# Allegro board pc053a_toplevel_33_ans_16-5_routed.brd (continued)
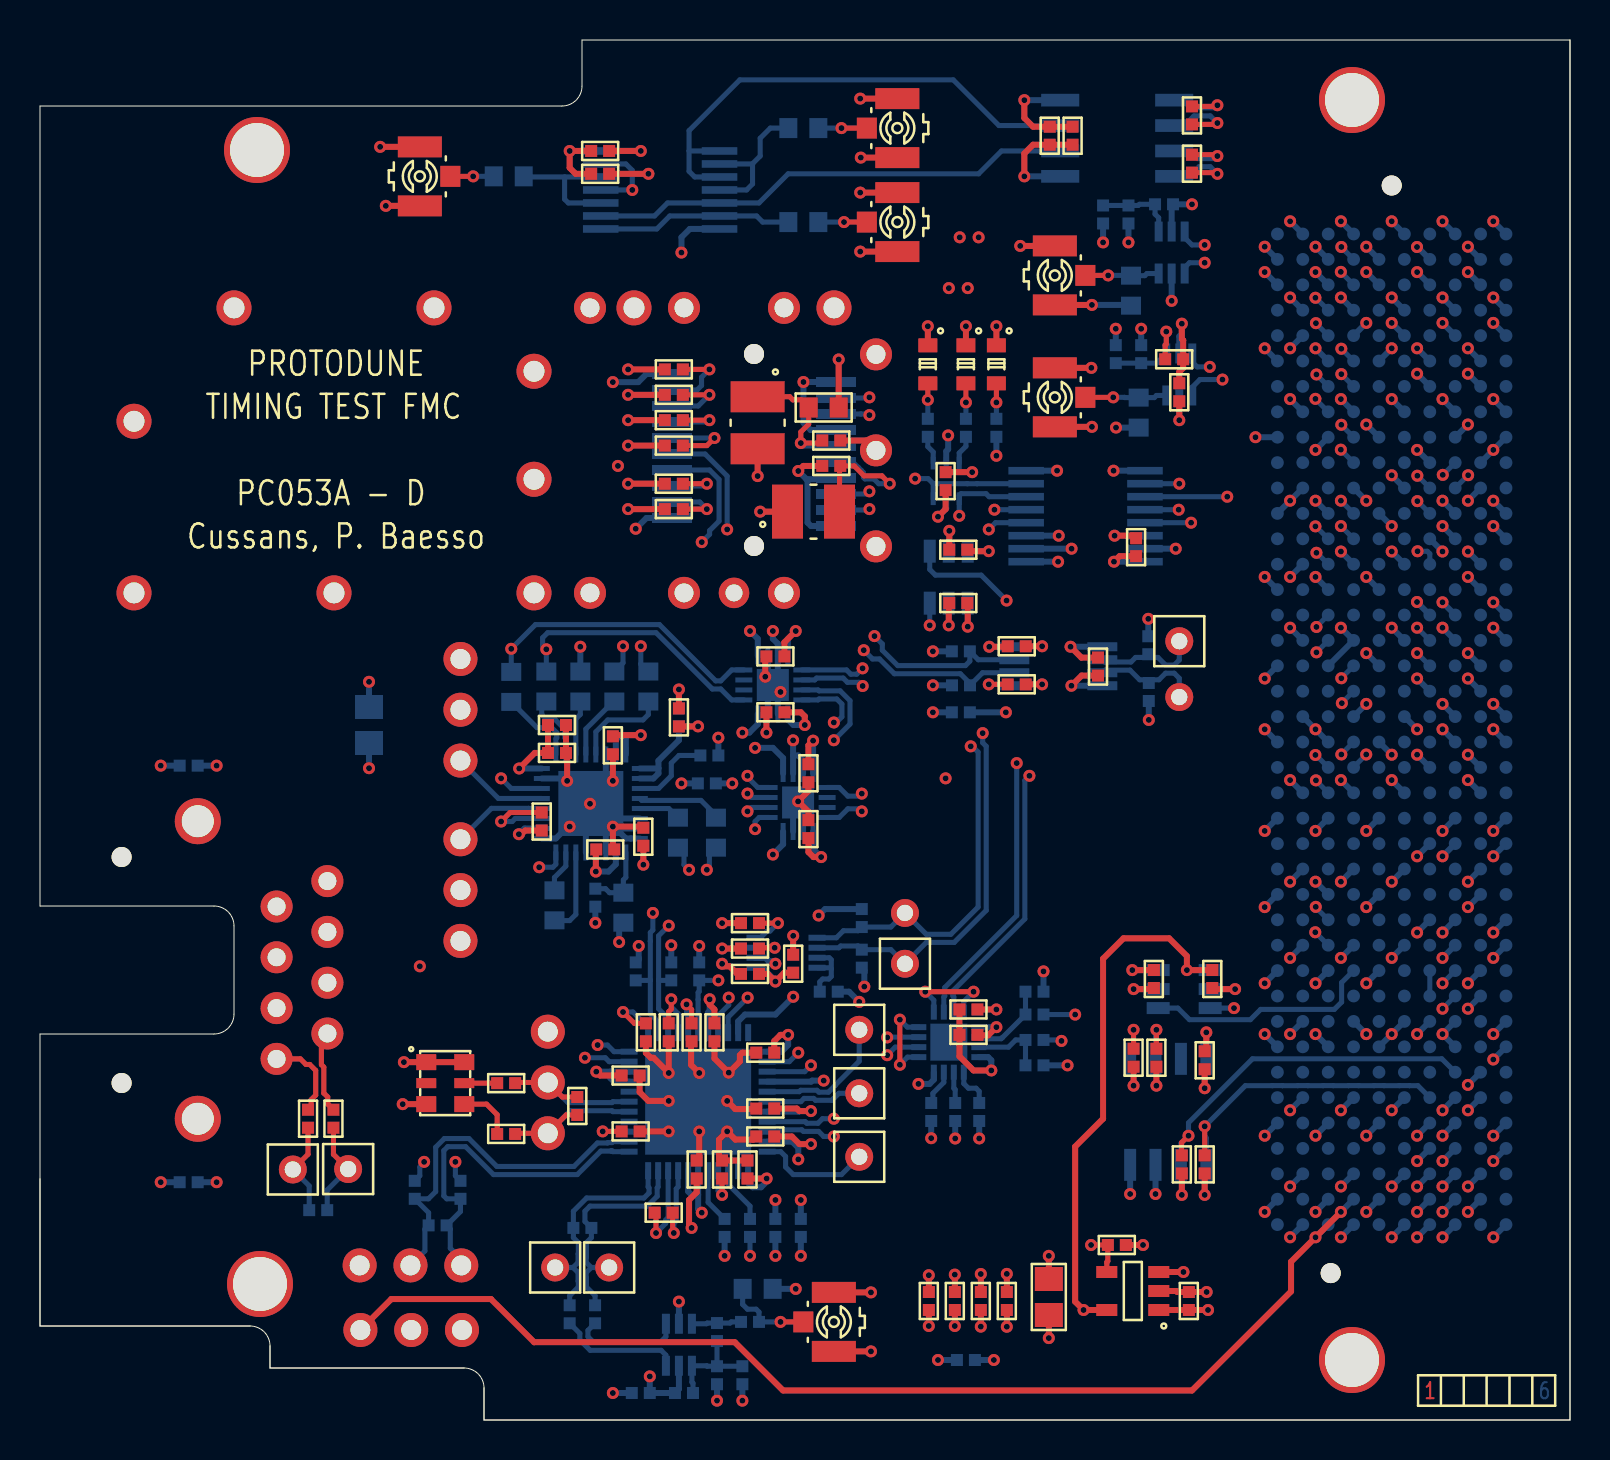
[diagram p0: board, top side]
## Routing (per net, layer and track width the routed paths; a pad name or vN(x,y) marks a point on that pad's centre or on a via; arc(x,y) is an arc through that point) (continued)
  BOTTOM w0.254: IC7.1 57.61,51.64 57.99,52.02 v1(59.12,52.02) ; P1.D11 68.89,47.2 v1(68.87,47.21)
IN_N: length 4.3
  BOTTOM w0.254: C44.2 33.8,30.23 33.05,30.98 30.09,30.98 IC12.4
IN_P: length 2.1
  BOTTOM w0.254: C43.2 31.44,30.57 29.99,30.57 IC12.5
IN_SEL0: length 2.3
  TOP w0.254: R17.2 v1(28.13,14.43)
  BOTTOM w0.254: IC4.3 29.44,14.43 v1(28.13,14.43)
IN_SEL1: length 2.1
  TOP w0.254: R19.2 v1(34.1,11.26)
  BOTTOM w0.254: 33.91,12.47 33.91,11.45 v1(34.1,11.26)
OSC_CLK_N: length 7.9
  TOP w0.254: R7.2 26.12,16.15 J2.2 23.79,16.88 C25.2
  BOTTOM w0.254: J2.2 26.4,15.87 28.6,15.87 28.64,15.92 IC4.6
OSC_CLK_P: length 8
  TOP w0.254: R7.1 26.3,15.25 J2.3 23.79,14.34 C21.2
  BOTTOM w0.254: IC4.5 28.64,15.42 28.6,15.46 26.52,15.46 J2.3
REC_CLK_N: length 43.3
  INNER4 w0.127: v1(19.2,12.91) 19.61,12.91 19.74,13.03 19.74,13.16 19.73,13.17 19.73,18.86 27.38,26.52 36.02,26.52 38.65,29.15 38.65,32.45 39.58,33.38 40.57,33.38 40.7,33.5 40.7,34.17 40.57,34.29 40.44,34.29 40.14,33.99 v1(39.69,33.99)
  BOTTOM w0.254: v1(19.2,12.91) 19.2,12.87 18.99,12.65 18.99,12.21 C27.1 ; IC17.11 38.9,36.5 38.95,36.46 40.01,36.46 40.5,35.96 40.5,34.8 v1(39.69,33.99)
REC_CLK_P: length 42.1
  INNER4 w0.127: v1(20.77,12.91) 20.39,12.91 20.01,13.29 20.01,18.75 27.5,26.24 36.14,26.24 38.93,29.04 38.93,32.34 39.69,33.1 40.69,33.1 40.98,33.39 40.98,34.28 40.69,34.57 40.44,34.57 40.14,34.88 v1(39.69,34.88)
  BOTTOM w0.254: v1(39.69,34.88) 39.82,34.88 40.09,35.16 40.09,35.8 39.84,36.05 38.95,36.05 38.9,36 IC17.12 ; C24.1 20.77,12.21 v1(20.77,12.91)
S_CLK_IN: length 4.5
  TOP w0.254: PX1.1 v1(37.02,4.91)
  BOTTOM w0.254: R27.2 35.13,5.78 35.37,5.54 35.81,5.54 35.95,5.4 C50.1 v1(37.02,4.91)
S_GPIO_IN0: length 3.7
  TOP w0.254: PX2.1 v1(53.41,57.23)
  BOTTOM w0.254: IC6.3 55.35,57.32 55.24,57.22 R30.2 54.54,57.23 v1(53.41,57.23)
S_GPIO_IN1: length 4.1
  TOP w0.254: PX3.1 v1(53.66,51.13)
  BOTTOM w0.254: IC7.3 55.82,51.23 55.72,51.12 R31.2 54.24,51.12 54.23,51.13 v1(53.66,51.13)
SFP_LOS: length 21.6
  TOP w0.254: 32.14,51.26 v1(33.47,51.26)
  INNER3 w0.127: v1(33.47,51.26) 35.63,51.26 37.28,49.61 43.14,49.61 47.23,45.52 v1(47.72,45.52)
  BOTTOM w0.254: IC10.5 v1(47.72,45.52) ; J4.8 32.91,50.7 v1(33.47,51.26)
SFP_SCL: length 52
  INNER3 w0.127: v1(41.72,39.2) 38.29,42.62 35.23,42.62 34.01,43.84 34.01,44.18 v1(34.36,44.53)
  INNER4 w0.127: v1(34.36,44.53) 34.01,44.18 34.01,43.93 33.34,43.26 32.07,43.26 28.13,39.32 28.13,35.03 24.05,30.94 22.93,30.94 J5.1
  BOTTOM w0.254: J4.5 33.25,48.3 34.36,47.2 v1(34.36,44.53) ; IC12.20 24.44,30.58 24.43,30.58 22.57,30.58 J5.1 ; 48.71,38.01 46.91,38.01 R411.2 46.49,37.94 46.27,37.72 42.89,37.72 42.12,38.49 42.12,38.8 v1(41.72,39.2)
SFP_SDA: length 50.9
  INNER3 w0.127: v1(33.09,43.89) 33.6,43.89 35.12,42.37 38.19,42.37 41.23,39.33 41.23,39.03 41.19,38.98 v1(41.19,38.49)
  INNER4 w0.127: J6.1 22.8,31.19 23.94,31.19 27.88,35.13 27.88,39.43 31.97,43.51 32.71,43.51 v1(33.09,43.89)
  BOTTOM w0.254: v1(33.09,43.89) 33.48,44.29 33.48,44.47 33.95,44.94 33.95,47.03 33.48,47.5 J4.4 ; IC12.21 22.92,31.08 J6.1 ; v1(41.19,38.49) 41.63,38.05 41.98,38.05 42.72,37.31 46.02,37.31 46.5,36.83 R140.2 47.13,37.36 IC15.6
SFP_TX_DISABLE: length 20.7
  TOP w0.254: v1(33.34,46.81) 32.14,46.81
  INNER3 w0.127: v1(33.34,46.81) 32.45,45.93 32.45,45.16 32.71,44.91 33.6,44.91 33.98,45.29 34.87,45.29 35.49,44.67 37.9,44.67 42.84,39.73 v1(44.49,39.73)
  BOTTOM w0.254: v1(33.34,46.81) 33.23,46.7 J4.3 ; IC14.3 v1(44.49,39.73)
SFP_TX_FAULT: length 20.9
  TOP w0.254: 32.14,45.55 v1(33.34,45.55)
  INNER3 w0.127: v1(47.44,44.53) 46.04,45.93 43.63,45.93 42.74,45.04 39.31,45.04 38.17,46.18 33.98,46.18 v1(33.34,45.55)
  BOTTOM w0.254: v1(33.34,45.55) 32.99,45.9 J4.2 ; IC10.4 47.77,44.87 v1(47.44,44.53)
SY5860_IN_N: length 14.7
  BOTTOM w0.254: R55.2 v1(23.56,38.56) 24.77,39.77 30.97,39.77 33.79,36.96 34.04,36.96 34.59,37.5 IC17.4
SY5860_IN_P: length 13.3
  BOTTOM w0.254: IC17.1 34.59,36 34.04,36.55 33.62,36.55 30.8,39.37 25.38,39.37 25.13,39.11 25.13,38.72 v1(25.32,38.53) R54.2
T_CDR_N: length 7
  INNER3 w0.127: v1(33.34,27.51) 33.34,27.96 33.04,28.26 33.04,28.86 33.77,29.59 35.1,29.59 35.19,29.67 35.3,29.72 v1(35.75,29.54)
  BOTTOM w0.254: IC13.9 35.96,30.13 35.75,29.92 v1(35.75,29.54) ; v1(33.34,27.51) 33.47,27.64 33.47,28.29 C44.1
T_CDR_P: length 7.4
  INNER3 w0.127: v1(35.37,30.43) 35.19,29.98 35.03,29.91 34.99,29.87 33.66,29.87 32.76,28.97 32.76,28.26 32.45,27.96 v1(32.45,27.51)
  BOTTOM w0.254: v1(32.45,27.51) 32.2,27.77 32.2,28.32 C43.1 ; v1(35.37,30.43) 35.57,30.63 IC13.10
T_FFD_CLK_N: length 13.1
  INNER3 w0.127: v1(34.44,21.12) 34.77,20.78 34.77,20.54 35.04,20.27 38.17,20.27 40.37,18.07 41.68,18.07 41.85,18.24 v1(42.36,18.24)
  BOTTOM w0.254: v1(42.36,18.24) 42.76,18.64 IC3.2 ; IC4.19 33.91,20.22 34.44,20.75 v1(34.44,21.12)
T_FFD_CLK_P: length 13
  INNER3 w0.127: v1(35.38,21.12) 35.05,20.78 35.05,20.66 35.15,20.55 38.28,20.55 40.49,18.35 41.56,18.35 41.74,18.52 41.8,18.52 41.85,18.57 41.85,18.62 v1(42.36,19.13)
  BOTTOM w0.254: v1(42.36,19.13) 42.55,19.13 42.56,19.14 IC3.3 ; v1(35.38,21.12) 34.41,20.14 IC4.20
T_FFD_D_N: length 34.7
  INNER3 w0.127: v1(48.84,32.84) 49.88,32.84 50.11,32.62 60.28,32.62 63.07,35.41 64.57,35.41 66.31,33.67 v1(66.31,33.28)
  BOTTOM w0.254: v1(66.31,33.28) 65.68,32.65 P1.G22 ; v1(48.84,32.84) 48.84,25.22 45.24,21.62 45.24,21.2 45.19,21.15 IC3.6
T_FFD_D_P: length 32.9
  INNER3 w0.127: v1(49.47,32.21) 49.98,32.21 50.11,32.34 60.39,32.34 63.19,35.13 64.46,35.13 65.47,34.11 65.47,33.68 v1(65.07,33.28)
  BOTTOM w0.254: v1(65.07,33.28) 65.07,33.29 P1.G21 ; IC3.7 45.69,21.15 45.64,21.2 45.64,21.46 49.24,25.05 49.24,31.98 v1(49.47,32.21)
T_FMC_CLK_N: length 74.1
  INNER4 w0.127: v1(63.8,54.84) 63.8,55.02 64.08,55.3 64.34,55.3 66.08,53.56 66.08,51.14 66.97,50.26 66.97,48.71 65.74,47.48 60.25,47.48 59.11,48.62 52,48.62 50.48,50.14 43.51,50.14 43.13,49.76 41.68,49.76 41.67,49.75 41.09,49.75 40.3,48.96 40.3,42.64 43.1,39.84 43.1,28.9 41.7,27.5 41.7,23.82 39.41,21.53 39.41,19.43 38.67,18.68 38.23,18.68 v1(37.91,18.37)
  BOTTOM w0.254: P1.H5 63.84,54.79 v1(63.8,54.84) ; IC4.24 37.46,17.92 v1(37.91,18.37)
T_FMC_CLK_P: length 75.4
  INNER4 w0.127: v1(38.55,17.73) 38.86,18.05 38.86,18.49 39.69,19.31 39.69,21.41 41.98,23.7 41.98,27.38 43.37,28.78 43.37,39.96 40.58,42.75 40.58,48.85 41.21,49.47 41.79,49.47 41.8,49.48 43.25,49.48 43.63,49.86 50.36,49.86 51.88,48.34 59,48.34 60.14,47.2 65.85,47.2 67.25,48.59 67.25,50.37 66.36,51.26 66.36,53.67 64.46,55.58 64.2,55.58 64.08,55.7 64.08,55.81 v1(63.77,56.11)
  BOTTOM w0.254: v1(38.55,17.73) 38.23,17.42 IC4.25 ; P1.H4 63.79,56.11 v1(63.77,56.11)
T_FMC_N: length 1.2
  BOTTOM w0.254: IC13.11 35.57,31.13 v1(35.37,31.32)
T_FMC_P: length 1.4
  BOTTOM w0.254: IC13.12 35.89,31.63 35.37,32.14 v1(35.37,32.21)
T_FMC_REC_CLK_N: length 56.1
  INNER3 w0.127: v1(65.04,57.41) 64.56,57.89 63.03,57.89 61.15,59.77 46.77,59.77 46.6,59.59 46.6,59.47 v1(46.93,59.13)
  INNER4 w0.127: v1(46.93,59.13) 46.6,58.8 46.6,58.07 48.96,55.7 48.96,54.05 46.68,51.77 40.58,51.77 39.44,50.62 39.44,38.09 40.25,37.28 40.38,37.28 40.68,37.58 v1(41.13,37.58)
  BOTTOM w0.254: IC17.9 40.33,37.5 40.54,37.29 40.83,37.29 v1(41.13,37.58) ; P1.G3 65.04,57.4 v1(65.04,57.41)
T_FMC_REC_CLK_P: length 57
  INNER3 w0.127: v1(65.07,58.65) 65.04,58.65 64.56,58.17 63.15,58.17 61.27,60.05 46.66,60.05 46.32,59.71 46.32,59.47 v1(45.99,59.13)
  INNER4 w0.127: v1(45.99,59.13) 46.32,58.8 46.32,57.95 48.68,55.59 48.68,54.17 46.56,52.05 40.47,52.05 39.16,50.74 39.16,37.98 40.14,37 40.38,37 40.69,36.7 v1(41.13,36.7)
  BOTTOM w0.254: v1(65.07,58.65) 65.27,58.45 65.28,58.43 P1.G2 ; IC17.10 38.73,37 38.83,37.1 40.16,37.1 40.37,36.88 40.95,36.88 v1(41.13,36.7)
T_MCX_CLK: length 83.3
  INNER4 w0.127: v1(29.61,61.5) 29.61,58.34 31.06,56.9 31.06,50.75 34.99,46.81 34.99,44.36 33.6,42.96 33.6,39.45 27.37,33.23 27.37,31.83 25.72,30.18 25.72,25.99 19.37,19.64 19.37,15.32 18.23,14.18 18.23,11.76 18.99,11 27.37,11 29.79,8.59 32.33,8.59 32.83,9.1 34.61,9.1 v1(35.5,8.21)
  BOTTOM w0.254: IC9.11 v1(29.61,61.5) 29.61,62.48 29.29,62.8 IC9.13 ; R26.2 v1(35.5,8.21)
T_RJ45_CLK_N: length 33.4
  INNER3 w0.127: v1(39.69,15.06) 39.25,15.06 38.94,14.76 37.72,14.76 36.29,16.2 36.29,17.09 34.73,18.65 29.52,18.65 26.85,21.31 17.46,21.31 J1.6
  BOTTOM w0.254: IC4.30 38.26,14.92 38.34,14.84 38.9,14.84 39.12,15.06 v1(39.69,15.06)
T_RJ45_CLK_P: length 35.1
  INNER3 w0.127: v1(39.69,14.18) 39.25,14.18 38.94,14.48 37.61,14.48 36.01,16.08 36.01,16.97 34.61,18.37 29.4,18.37 26.74,21.03 14.94,21.03 14.78,20.87 13.96,20.87 13.8,21.03 12.27,21.03 J1.3
  BOTTOM w0.254: v1(39.69,14.18) 39.18,14.18 38.93,14.43 38.17,14.43 38.09,14.51 37.09,14.51 37,14.42 IC4.31
T_RJ45_D_N: length 57.7
  INNER3 w0.127: J1.8 13.34,26.43 13.17,26.49 13.11,26.6 13.11,27.73 13.78,28.4 16.96,28.4 17.72,27.64 22.42,27.64 24.07,25.99 41.47,25.99 42.99,27.51 55.82,27.51 58.87,24.46 62.72,24.46 63.14,24.88 63.27,24.88 v1(63.76,24.39)
  BOTTOM w0.254: v1(63.76,24.39) P1.H29
T_RJ45_D_P: length 58.3
  INNER3 w0.127: v1(63.79,25.66) 63.76,25.66 63.27,25.16 63.03,25.16 62.61,24.74 58.98,24.74 55.94,27.79 42.88,27.79 41.35,26.27 24.19,26.27 22.54,27.92 17.84,27.92 17.07,28.68 13.67,28.68 12.83,27.84 12.83,26.45 12.92,26.36 12.86,26.19 J1.7
  BOTTOM w0.254: P1.H28 63.79,25.63 v1(63.79,25.66)
T_SFP_N: length 38.5
  INNER4 w0.127: v1(51.07,18.95) 51.29,19.38 51.24,19.55 50.97,19.68 50.97,34.12 49.06,36.03 49.06,45.68 48.47,46.28 44.76,46.28 44.33,45.85 42.22,45.85 41.92,45.55 v1(41.47,45.55)
  BOTTOM w0.254: J4.19 41.42,45.5 v1(41.47,45.55) ; C2.2 51.03,19 v1(51.07,18.95)
T_SFP_P: length 39.3
  INNER4 w0.127: v1(41.47,46.43) 41.92,46.43 42.22,46.13 44.21,46.13 44.64,46.56 48.58,46.56 49.34,45.8 49.34,36.15 51.25,34.24 51.25,19.85 51.37,19.8 51.54,19.85 v1(51.76,20.27)
  BOTTOM w0.254: J4.18 41.34,46.3 v1(41.47,46.43) ; v1(51.76,20.27) C1.2
UNNAMED_2_CON400P40ABCDEFGHJK_I: length 1.3
  BOTTOM w0.254: P1.D30 P1.D31
UNNAMED_2_PCA9306_I276_EN: length 3.5
  BOTTOM w0.254: 39.56,22.56 39.56,23.01 39.46,23.11 38.85,23.11 ; 39.56,22.56 39.51,22.61 38.85,22.61 ; 39.56,22.56 39.56,22.18 39.44,22.05 39.13,22.05 38.99,21.91 R1.1
UNNAMED_2_PCA9517_I162_EN: length 2.3
  TOP w0.254: R42.1 v1(47.44,36.78)
  BOTTOM w0.254: v1(47.44,36.78) 48.65,36.78 IC15.5
UNNAMED_3_CAPCERSMDCL2_I315_A: length 4
  BOTTOM w0.254: IC3.10 47.01,19.07 47.43,19.07 47.44,19.06 48.06,19.06 48.12,19.13 48.13,19.13 C1.1 R5.2
UNNAMED_3_CAPCERSMDCL2_I316_A: length 3.8
  BOTTOM w0.254: IC3.11 48.43,18.64 48.78,19 C2.1 R6.2
UNNAMED_3_NBSG53A_I298_OLS: length 2.1
  BOTTOM w0.254: IC3.13 46.19,16.82 46.42,16.59 46.8,16.59 46.96,16.43 R3.1
UNNAMED_3_NBSG53A_I298_R: length 1.8
  BOTTOM w0.254: R2.2 44.64,15.94 44.64,16.34 45.19,16.88 IC3.15
UNNAMED_3_NBSG53A_I298_SEL: length 1.6
  BOTTOM w0.254: R4.1 45.76,16.52 45.69,16.59 IC3.14
UNNAMED_3_NBSG53A_I298_VTCLK: length 4.5
  TOP w0.254: v1(42.99,17.76) v1(42.99,20.02)
  BOTTOM w0.254: IC3.1 43.38,18.14 v1(42.99,17.76) ; v1(42.99,20.02) 43.37,19.64 IC3.4
UNNAMED_3_NBSG53A_I298_VTD: length 4.8
  TOP w0.254: v1(44.26,21.41) v1(46.68,21.41)
  BOTTOM w0.254: v1(44.26,21.41) 44.69,20.99 IC3.5 ; v1(46.68,21.41) 46.19,20.93 IC3.8
UNNAMED_4_CAPCERSMDCL2_I90_B: length 2.2
  TOP w0.254: v1(52.55,8.75) C11.2 53.39,7.94 53.34,7.89 REG1.4
UNNAMED_4_CAPCERSMDCL2_I119_A: length 2.8
  TOP w0.254: QZ1.4 22.33,15.79 22.86,15.26 C21.1
UNNAMED_4_CAPCERSMDCL2_I120_A: length 1.6
  TOP w0.254: C25.1 QZ1.5
UNNAMED_4_RSMD0402_I16_A: length 3.2
  TOP w0.254: v1(29.15,20.4) 29.72,19.83 R10.1
  BOTTOM w0.254: v1(29.15,20.4) 29.65,20.4 30.41,19.64 IC4.12
UNNAMED_4_RSMD0402_I47_A: length 2.8
  BOTTOM w0.254: R13.1 33.41,10.88 33.41,12.47
UNNAMED_4_RSMD0402_I49_A: length 3.1
  TOP w0.254: R20.1 31.44,20.42 31.56,20.54 v1(31.56,21.03)
  BOTTOM w0.254: v1(31.56,21.03) 31.56,20.65 31.91,20.31 IC4.15
UNNAMED_4_RSMD0402_I50_A: length 2.5
  TOP w0.254: R21.1 32.58,20.53 v1(32.33,20.78)
  BOTTOM w0.254: v1(32.33,20.78) 32.33,20.29 32.41,20.21 IC4.16
UNNAMED_4_RSMD0402_I123_A: length 2.9
  BOTTOM w0.254: R26.1 35.5,10.69 34.41,11.79 34.41,12.47
UNNAMED_4_SI5344_I110_INTR: length 5.8
  BOTTOM w0.254: TP9.1 40.07,12.27 37.66,12.27 37.28,12.65 37.28,13.17 37.03,13.42 IC4.33
UNNAMED_4_SI5344_I110_LOL: length 6.9
  BOTTOM w0.254: TP10.1 40.96,17.94 39.76,16.74 39.76,16.73 39.42,16.39 38.94,16.39 38.85,16.49 38.04,16.49 37.97,16.42 IC4.27
UNNAMED_4_SI5344_I110_LOSXAXB: length 4.9
  BOTTOM w0.254: IC4.28 38.04,15.92 38.2,16.08 38.68,16.08 38.78,15.98 39.59,15.98 39.69,16.08 39.69,16.08 39.95,16.34 TP11.1
UNNAMED_5_74LCX04_I304_Y: length 6.9
  BOTTOM w0.254: R47.1 24.22,62.15 26.23,62.15 ; 26.23,62.15 IC9.12 ; 26.23,62.15 26.23,61.04 26.42,60.85 IC9.10
UNNAMED_5_74LCX04_I317_A: length 25.8
  BOTTOM w0.254: IC8.7 47.95,64.72 45.66,67.01 34.99,67.01 32.45,64.47 32.45,63.45 ; 32.45,63.45 IC9.1 ; 32.45,63.45 32.45,62.44 32.74,62.15 IC9.3
UNNAMED_5_74LCX04_I317_Y: length 7.5
  BOTTOM w0.254: IC9.4 35.33,61.5 35.63,61.8 35.63,62.79 35.61,62.8 ; R49.1 36.52,64.59 36.01,64.09 36.01,63.2 35.61,62.8 ; 35.61,62.8 IC9.2
UNNAMED_5_74LCX04_I323_A: length 24.3
  BOTTOM w0.254: IC8.6 48.07,63.45 46.93,62.31 37.41,62.31 35.95,60.85 IC9.5 31.38,60.85 30.73,60.2 IC9.9
UNNAMED_5_74LCX04_I323_Y: length 9.8
  BOTTOM w0.254: IC9.8 30.84,59.55 31.49,60.2 IC9.6 35.83,60.2 36.14,59.9 R48.1
UNNAMED_5_ADCMP604_I256_: length 5.2
  BOTTOM w0.254: R33.2 C51.2 ; C51.2 R44.1 ; C51.2 33.36,2.69 33.34,2.71 IC5.4 32.59,1.89 32.65,1.84 R32.1
UNNAMED_5_ADCMP604_I256__1: length 2.5
  BOTTOM w0.254: IC5.3 33.32,4.81 33.36,4.85 R44.2 34.5,4.85 34.56,4.91 C50.2
UNNAMED_5_ADCMP604_I285_: length 4.1
  BOTTOM w0.254: IC6.4 55.93,60.11 55.75,60.29 R35.1 54.97,60.78 54.91,60.73 C52.2 R36.2
UNNAMED_5_ADCMP604_I294_: length 5.2
  TOP w0.254: R37.1 56.26,53.75 56.31,53.8 v1(56.31,54.42)
  BOTTOM w0.254: v1(56.31,54.42) IC7.4 55.83,52.84 C53.2 R38.2
UNNAMED_5_PCOAX_I312_A: length 2.2
  TOP w0.254: PX4.1 v1(21.66,62.18)
  BOTTOM w0.254: R47.2 v1(21.66,62.18)
UNNAMED_5_PCOAX_I315_A: length 2.4
  TOP w0.254: v1(40.07,64.59) PX6.1
  BOTTOM w0.254: R49.2 v1(40.07,64.59)
UNNAMED_5_PCOAX_I321_A: length 2.4
  TOP w0.254: PX5.1 v1(40.2,59.9)
  BOTTOM w0.254: R48.2 v1(40.2,59.9)
UNNAMED_11_ADN2814_I23_CF1: length 2.1
  BOTTOM w0.254: C39.1 25.72,27.12 26.29,27.69 IC12.15
UNNAMED_11_ADN2814_I23_CF2: length 4.3
  BOTTOM w0.254: C39.2 25.73,24.97 26.48,24.97 26.79,25.28 IC12.14
UNNAMED_11_ADN2814_I23_DATAOUTN: length 3.3
  BOTTOM w0.254: R53.1 28.67,35.92 27.29,34.55 IC12.28
UNNAMED_11_ADN2814_I23_DATAOUTP: length 4.8
  BOTTOM w0.254: IC12.29 27.79,34.41 28.39,35 30.15,35 30.42,35.27 R52.1
UNNAMED_11_ADN2814_I23_SADDRS: length 4.3
  TOP w0.254: v1(23.05,29.92) 23.5,30.37 R57.1
  BOTTOM w0.254: IC12.19 23.76,30.08 23.61,29.92 v1(23.05,29.92)
UNNAMED_11_ADN2814_I23_SQUELCH: length 2.7
  BOTTOM w0.254: IC12.27 26.79,35.06 27.02,35.28 R12.1
UNNAMED_11_ADN2814_I23_THRADJ: length 3.5
  BOTTOM w0.254: C42.2 28.28,26.57 28.48,26.36 R34.2 29.17,27.01 29.29,27.13 IC12.9
UNNAMED_11_ADN2814_I23_VREF: length 4.1
  BOTTOM w0.254: IC12.3 30.93,31.58 31.56,32.21 31.56,32.84 31.94,33.23 C38.2
UNNAMED_11_CON20PSFP_I175_MODDE: length 3.9
  TOP w0.254: v1(33.72,49.1) 33.34,48.72 32.14,48.72
  BOTTOM w0.254: J4.6 v1(33.72,49.1)
UNNAMED_11_CON20PSFP_I175_RATES: length 3.2
  TOP w0.254: v1(33.47,49.99) 32.14,49.99
  BOTTOM w0.254: J4.7 33.38,49.9 v1(33.47,49.99)
UNNAMED_11_CON20PSFP_I175_VCCR: length 7.7
  TOP w0.254: L1.1 37.49,51.16 37.64,51.01 38.05,51.01 C64.2 38.43,49.79 38.04,49.4 v1(38.04,48.85) 38.99,48.85 C63.2
  BOTTOM w0.254: v1(38.04,48.85) 38.19,48.7 J4.15
UNNAMED_11_CON20PSFP_I175_VCCT: length 8.4
  TOP w0.254: v1(42.49,46.81) 42.09,47.21 41.21,47.21 40.71,47.7 C62.2 39.98,47.7 L2.2
  BOTTOM w0.254: v1(42.49,46.81) 41.93,46.81 41.69,47.05 41.25,47.05 41.17,47.13 41.17,47.37 41.08,47.46 41.08,47.47 40.92,47.63 40.91,47.63 40.64,47.9 J4.16
UNNAMED_11_CON20PSFP_I175_VEER: length 3.9
  TOP w0.254: 32.14,52.53 v1(33.47,52.53)
  BOTTOM w0.254: J4.9 32.85,51.5 33.08,51.72 33.08,52.14 v1(33.47,52.53)
UNNAMED_11_LED1_I225_A: length 1.8
  TOP w0.254: v1(46.3,50.88) LD1.1
  BOTTOM w0.254: R50.1 v1(46.3,50.88)
UNNAMED_11_LED1_I226_A: length 1.8
  TOP w0.254: LD2.1 v1(44.39,51.01)
  BOTTOM w0.254: R51.1 v1(44.39,51.01)
UNNAMED_11_LED1_I227_A: length 1.8
  TOP w0.254: LD3.1 v1(47.82,50.88)
  BOTTOM w0.254: v1(47.82,50.88) R56.1
UNNAMED_11_RSMD0402_I232_B: length 1.5
  BOTTOM w0.254: IC11.6 45.96,48.35 46.3,48.69 R50.2
UNNAMED_11_RSMD0402_I233_B: length 1.4
  BOTTOM w0.254: R51.2 44.39,48.67 44.66,48.4 IC11.4

## Copper pours and planes (outline as drawn; the poured copper is in the pictures)
GND on L2GND: 22.84,0.64 22.84,1.6 22.36,2.76 21.2,3.24 12.14,3.24 12.14,3.7 11.66,4.86 10.5,5.34 0.64,5.34 0.64,19.26 9.72,19.26 9.72,25.73 0.64,25.73 0.64,65.06 26.1,65.06 27.26,65.54 27.74,66.7 27.74,68.36 75.86,68.36 75.86,2.37 68.9,2.37 68.9,0.76 68.77,0.64
P1V8 on L3PWR: 33.72,7.06 33.72,9.35 32.45,10.62 32.45,11.64 33.09,12.27 34.74,12.27 35.5,11.51 35.5,10.62 36.14,9.98 38.17,9.98 38.93,10.75 38.93,11.51 38.68,11.76 37.41,11.76 37.15,12.02 37.15,13.16 37.66,13.67 37.91,13.67 38.42,13.16 39.06,13.16 39.82,13.92 39.82,16.46 39.69,17.61 37.41,20.02 34.1,23.32 33.34,23.32 33.09,23.07 29.28,23.07 29.15,23.19 29.15,23.83 31.06,25.73 37.15,25.73 38.29,24.59 38.29,21.67 42.74,17.22 42.74,8.46 44.39,6.81 52.39,6.81 53.03,6.17 53.03,4.14 52.52,3.63 37.15,3.63
P3V3 on L3PWR: 22.84,0.64 22.84,1.6 22.36,2.76 21.2,3.24 12.14,3.24 12.14,3.7 11.66,4.86 10.5,5.34 0.64,5.34 0.64,12 0.63,19.26 9.72,19.26 9.72,25.73 0.63,25.73 0.64,42.1 0.63,42.11 0.64,65.06 26.1,65.06 27.26,65.54 27.74,66.7 27.74,68.36 75.86,68.36 75.86,2.37 68.9,2.37 68.9,0.64 ; 3 cut-outs
CVCC on L3PWR: 62.04,7.57 64.84,7.57 65.73,8.46 65.73,45.16 65.09,45.8 49.98,45.8 49.85,45.67 49.72,45.67 49.09,46.31 46.04,46.31 45.79,46.56 45.79,48.09 46.42,48.72 46.42,49.61 45.53,50.5 44.64,50.5 42.87,48.72 42.87,43.39 45.03,41.23 48.84,41.23 49.22,41.61 49.22,42.75 50.11,43.64 51.12,43.64 52.14,42.62 52.14,40.34 39.18,27.38 29.53,27.38 28.01,25.86 28.01,22.68 28.52,22.18 34.36,22.18 34.48,22.3 34.48,22.81 34.1,23.19 33.47,23.19 33.21,22.94 29.15,22.94 29.02,23.07 29.02,23.95 30.93,25.86 37.28,25.86 38.42,24.72 38.42,21.8 40.45,19.76 44.64,19.76 46.55,21.67 49.72,21.67 52.39,19 52.39,13.67 56.46,9.6 60.01,9.6

## Text on the board
BOTTOM: 6
Ref Des/Silkscreen Bottom: EDA-02319-V3 | TTC_FMC
TOP: 1
Ref Des/Silkscreen Top: PROTODUNE | Cussans, P. Baesso
L2GND: 2
INNER3: 3
INNER4: 4
L3PWR: 5
User.8: 4
User.9: GROUND PLANE | 3
User.45: Figure | Dia. | 0.30 | 0.40 | 0.70 | 0.80 | 0.85 | 0.95 | 1.00 | 1.05 | 2.50 | 2.70 | 1.30 | 1.40 | Metric Drill Legend TOP to BOTTOM | Drill sizes are considered finished. | ALL UNITS ARE IN MILLIMETERS | Tol. | +0.05/-0.05 | TYPE | PLATED | NON-PLATED | QTY | 169 | 175 | 4 | 12 | 1 | 9 | 21 | 6 | 10 | 2 | 417 | TOTAL HOLES:
